# Altium PCB PowerBoard.PcbDoc
Units mil, origin at the board's own origin, x right, y up, seen from the top; angles counter-clockwise.
Board outline 5560.03 x 2310.14 mil, 2 copper layers (Top Layer, Bottom Layer); 107 components, 79 nets, 315 pads, 21 vias.
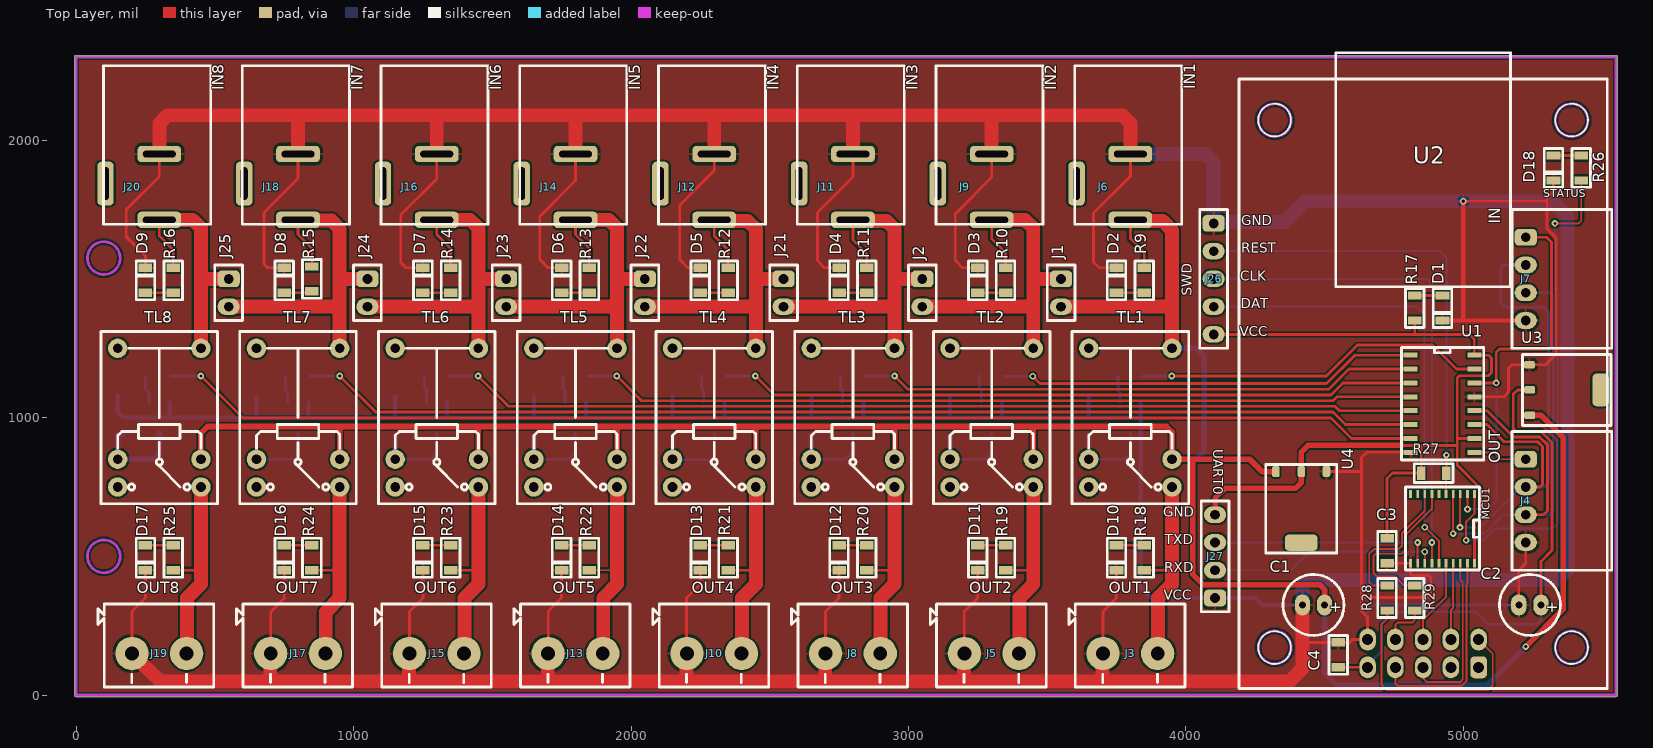
[diagram p0: Top Layer view]
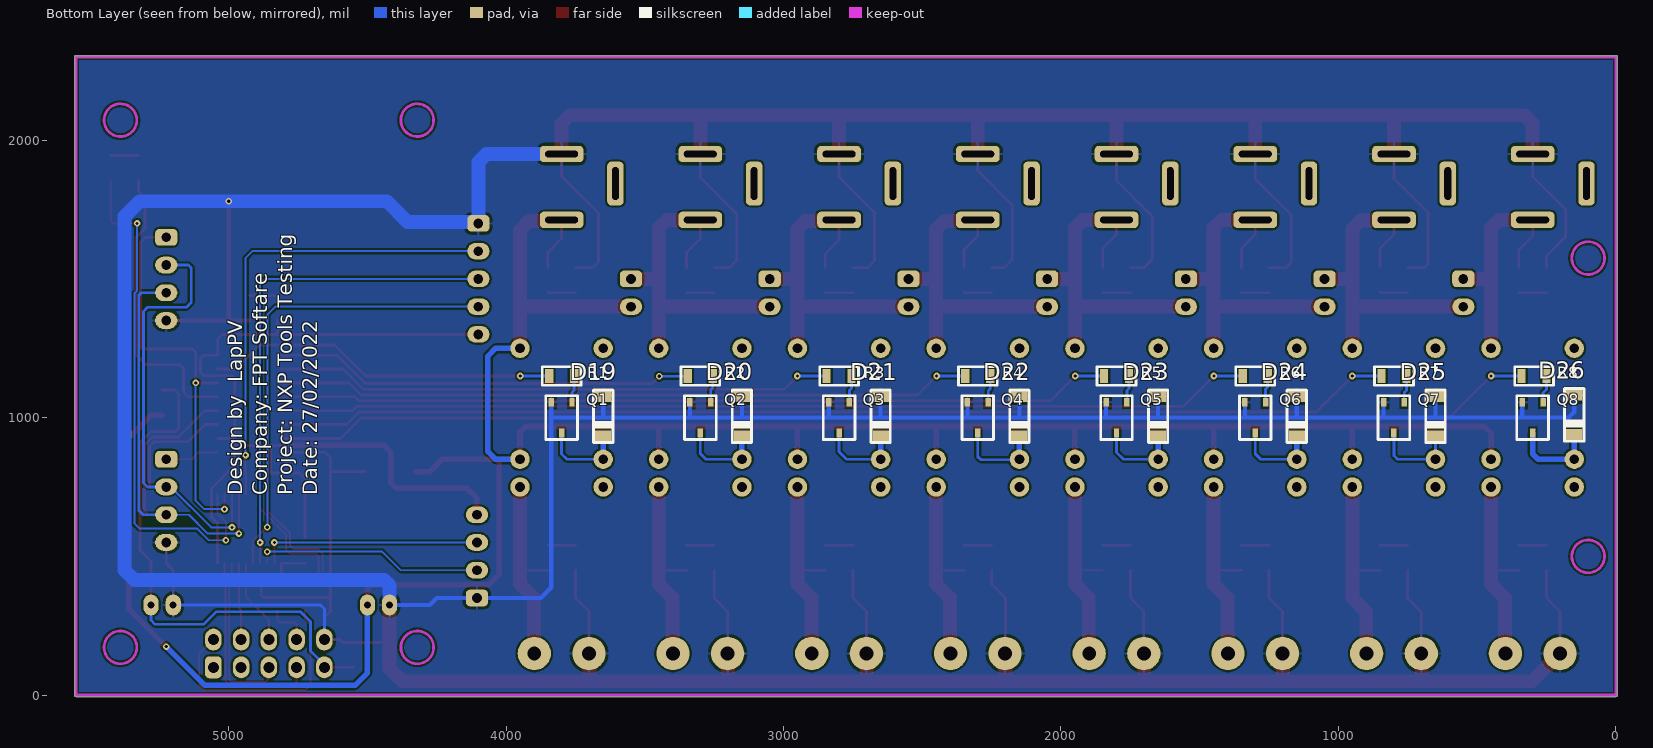
[diagram p1: Bottom Layer view, seen from below]
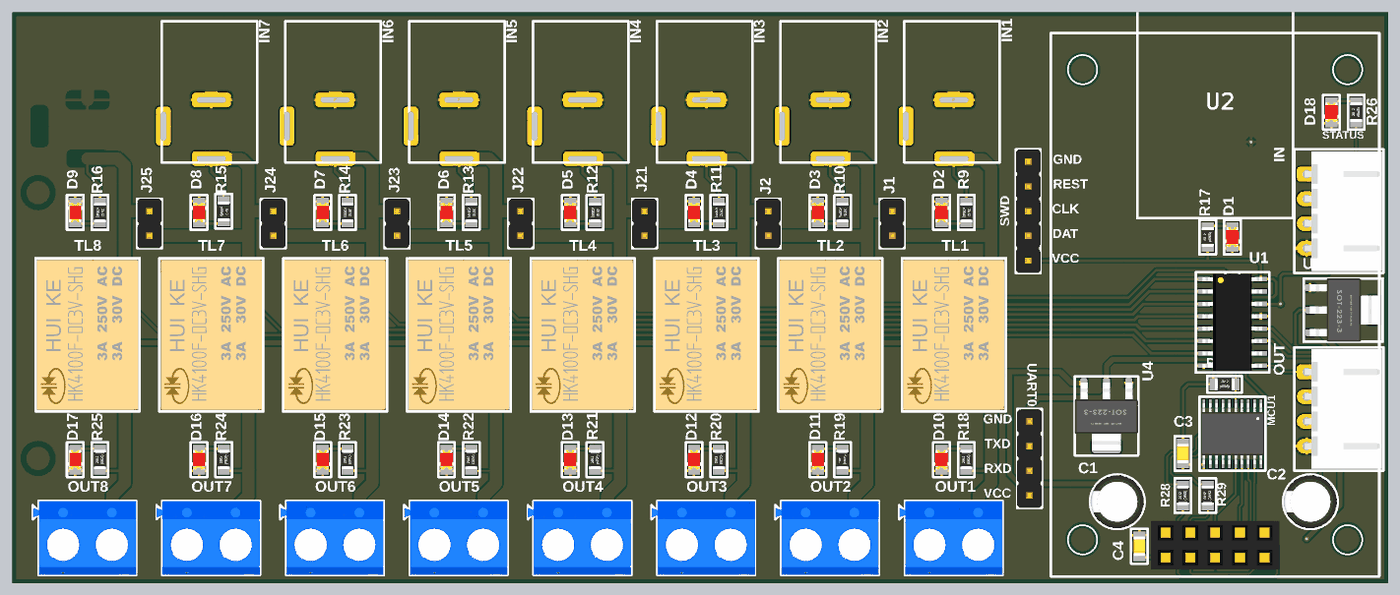
[diagram p2: 3D render of the assembled board from above, using the file's embedded part models]
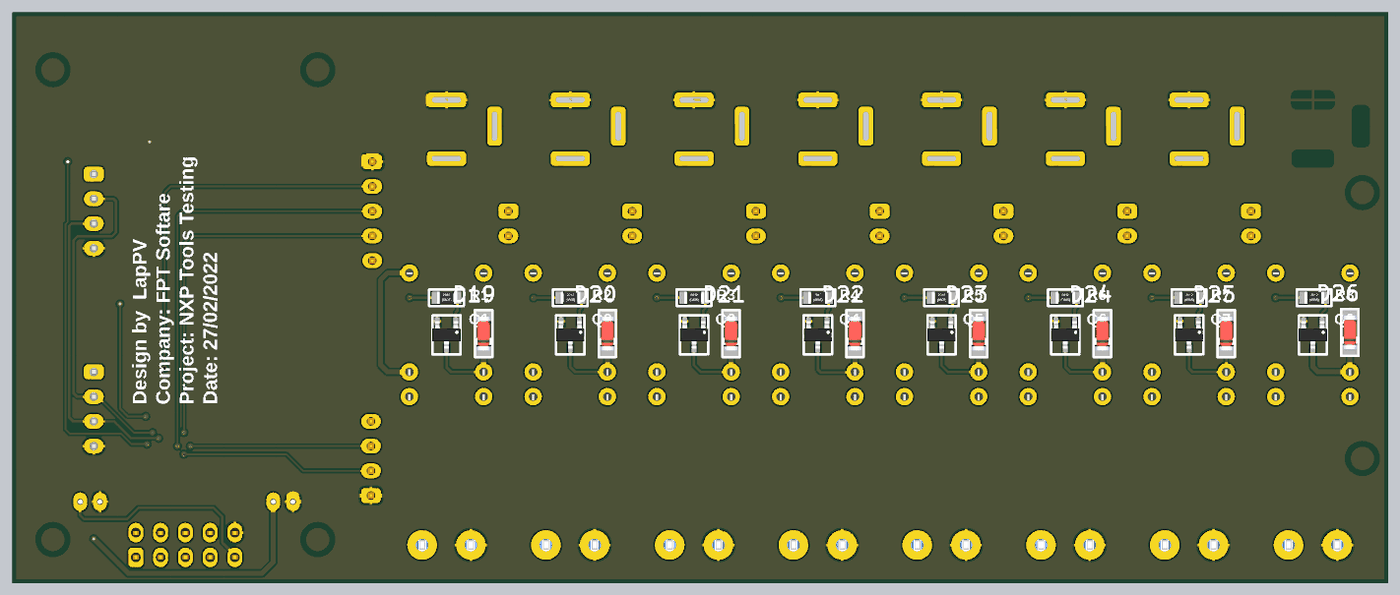
[diagram p3: 3D render of the assembled board from below, using the file's embedded part models]

## Layer stack, top to bottom
Top Solder: solder mask 0.4, Solder Resist, Dk 3.5
Top Layer: signal copper 1.4
Dielectric 1: dielectric 12.6, FR-4, Dk 4.8
Bottom Layer: signal copper 1.4
Bottom Solder: solder mask 0.4, Solder Resist, Dk 3.5

## Board outline
-5.21,-0.11 -5.21,2300 cw(c-0.19,2300) -0.19,2305.02 5549.81,2305.02 cw(c5549.81,2300) 5554.82,2300 5554.82,-0.11 cw(c5549.81,-0.11) 5549.81,-5.12 -0.19,-5.12 cw(c-0.19,-0.11)

## Design rules (kind name [scope] priority, off if disabled: settings)
Clearance [All] p1: gap=7 ignorepadtopadclearanceinfootprint=FALSE
PolygonConnect [All] p1: connectstyle=Relief reliefconductorwidth=10 reliefentries=4 polygonreliefangle="90 Angle" airgapwidth=10
RoutingVias [All] p1: holewidth=11.81 width=23.62 viastyle="Through Hole" minholewidth=11.81 minwidth=23.62 maxholewidth=11.81 maxwidth=23.62
SolderMaskExpansion [All] p1: expansion=4 istentingtop=FALSE
Width [All] p1: maxlimit=50 minlimit=7 preferedwidth=20
30 further rules are at their usual default settings.

## Components (designator, comment, footprint, x,y, rotation, side; value= is the part's Value field where it differs from the comment)
C1 "10uF" CAP_RAD_D05x11 4459.81,325 r180 top
C2 "10uF" CAP_RAD_D05x11 5239.81,325 r180 top
C3 "104" C0805 4724.81,520 r90 top
C4 "104" C0805 4548.81,145 r270 top
D1 "LED0805" L0805RED 4924.81,1395 r270 top
D2 "LED0805" L0805RED 3749.81,1495 r90 top
D3 "LED0805" L0805RED 3249.81,1495 r90 top
D4 "LED0805" L0805RED 2749.81,1495 r90 top
D5 "LED0805" L0805RED 2249.81,1495 r90 top
D6 "LED0805" L0805RED 1749.81,1495 r90 top
D7 "LED0805" L0805RED 1249.81,1495 r90 top
D8 "LED0805" L0805RED 749.81,1495 r90 top
D9 "LED0805" L0805RED 249.81,1495 r90 top
D10 "LED0805" L0805RED 3749.81,495 r270 top
D11 "LED0805" L0805RED 3249.81,495 r270 top
D12 "LED0805" L0805RED 2749.81,495 r270 top
D13 "LED0805" L0805RED 2249.81,495 r270 top
D14 "LED0805" L0805RED 1749.81,495 r270 top
D15 "LED0805" L0805RED 1249.81,495 r270 top
D16 "LED0805" L0805RED 749.81,495 r270 top
D17 "LED0805" L0805RED 249.81,495 r270 top
D18 "STATUS" L0805RED 5324.81,1900 r270 top
D19 "1N4148" SOD-80 3650,1005 r270 bottom
D20 "1N4148" SOD-80 3150,1005 r270 bottom
D21 "1N4148" SOD-80 2650,1005 r270 bottom
D22 "1N4148" SOD-80 2150,1005 r270 bottom
D23 "1N4148" SOD-80 1650,1005 r270 bottom
D24 "1N4148" SOD-80 1150,1005 r270 bottom
D25 "1N4148" SOD-80 650,1005 r270 bottom
D26 "1N4148" SOD-80 150,1010 r270 bottom
J1 "HEADER-MALE-2.54MM" HEADER-MALE-02PINS-2.54MM 3549.81,1450 r270 top
J2 "HEADER-MALE-2.54MM" HEADER-MALE-02PINS-2.54MM 3049.81,1450 r270 top
J3 "OUT1" DG306-5.0-02P-12-00AH 3799.81,150 r0 top
J4 "OUT" "JST - XH - Thru (R) - 4Pin - 2.54mm" 5224.81,700 r270 top
J5 "OUT2" DG306-5.0-02P-12-00AH 3299.81,150 r0 top
J6 "IN1" DC_K375A_Power 3288,2000.2 r180 top
J7 "IN" "JST - XH - Thru (R) - 4Pin - 2.54mm" 5224.81,1500 r270 top
J8 "OUT3" DG306-5.0-02P-12-00AH 2799.81,150 r0 top
J9 "IN2" DC_K375A_Power 2788,2000.2 r180 top
J10 "OUT4" DG306-5.0-02P-12-00AH 2299.81,150 r0 top
J11 "IN3" DC_K375A_Power 2288,2000.2 r180 top
J12 "IN4" DC_K375A_Power 1788,2000.2 r180 top
J13 "OUT5" DG306-5.0-02P-12-00AH 1799.81,150 r0 top
J14 "IN5" DC_K375A_Power 1288,2000.2 r180 top
J15 "OUT6" DG306-5.0-02P-12-00AH 1299.81,150 r0 top
J16 "IN6" DC_K375A_Power 788,2000.2 r180 top
J17 "OUT7" DG306-5.0-02P-12-00AH 799.81,150 r0 top
J18 "IN7" DC_K375A_Power 288,2000.2 r180 top
J19 "OUT8" DG306-5.0-02P-12-00AH 299.81,150 r0 top
J20 "IN8" DC_K375A_Power -212,2000.2 r180 top
J21 "HEADER-MALE-2.54MM" HEADER-MALE-02PINS-2.54MM 2549.81,1450 r270 top
J22 "HEADER-MALE-2.54MM" HEADER-MALE-02PINS-2.54MM 2049.81,1450 r270 top
J23 "HEADER-MALE-2.54MM" HEADER-MALE-02PINS-2.54MM 1549.81,1450 r270 top
J24 "HEADER-MALE-2.54MM" HEADER-MALE-02PINS-2.54MM 1049.81,1450 r270 top
J25 "HEADER-MALE-2.54MM" HEADER-MALE-02PINS-2.54MM 549.81,1450 r270 top
J26 "SWD" HEADER-MALE-05PINS-2.54MM 4099.81,1700 r270 top
J27 "UART0" HEADER-MALE-04PINS-2.54MM 4105,350 r90 top
MCU1 "Mini58FDE" TSSOP20_0.65_4.4 4924.81,600 r270 top
Q1 "2N3904" SOT23-3 3799.81,1000 r0 bottom
Q2 "2N3904" SOT23-3 3299.81,1000 r0 bottom
Q3 "2N3904" SOT23-3 2799.81,1000 r0 bottom
Q4 "2N3904" SOT23-3 2299.81,1000 r0 bottom
Q5 "2N3904" SOT23-3 1799.81,1000 r0 bottom
Q6 "2N3904" SOT23-3 1299.81,1000 r0 bottom
Q7 "2N3904" SOT23-3 799.81,1000 r0 bottom
Q8 "2N3904" SOT23-3 299.81,1000 r0 bottom
R1 "10k" R0805 3799.81,1150 r180 bottom
R2 "10k" R0805 3299.81,1150 r180 bottom
R3 "10k" R0805 2799.81,1150 r180 bottom
R4 "10k" R0805 2299.81,1150 r180 bottom
R5 "10k" R0805 1799.81,1150 r180 bottom
R6 "10k" R0805 1299.81,1150 r180 bottom
R7 "10k" R0805 799.81,1150 r180 bottom
R8 "10k" R0805 294.81,1150 r180 bottom
R9 "10k" R0805 3849.81,1495 r270 top
R10 "10k" R0805 3349.81,1495 r270 top
R11 "10k" R0805 2849.81,1495 r270 top
R12 "10k" R0805 2349.81,1495 r270 top
R13 "10k" R0805 1849.81,1495 r270 top
R14 "10k" R0805 1349.81,1495 r270 top
R15 "10k" R0805 849.81,1500 r270 top
R16 "10k" R0805 349.81,1495 r270 top
R17 "10k" R0805 4824.81,1395 r90 top
R18 "10k" R0805 3849.81,495 r90 top
R19 "10k" R0805 3349.81,495 r90 top
R20 "10k" R0805 2849.81,495 r90 top
R21 "10k" R0805 2349.81,495 r90 top
R22 "10k" R0805 1849.81,495 r90 top
R23 "10k" R0805 1349.81,495 r90 top
R24 "10k" R0805 849.81,495 r90 top
R25 "10k" R0805 349.81,495 r90 top
R26 "10k" R0805 5424.81,1900 r90 top
R27 "10k" R0805 4892.81,800 r0 top
R28 "10k" R0805 4724.81,350 r90 top
R29 "10k" R0805 4824.81,350 r90 top
TL1 "HK4100F" RELAY-HK4100F-DC3V-SHG 3799.81,1000 r0 top
TL2 "HK4100F" RELAY-HK4100F-DC3V-SHG 3299.81,1000 r0 top
TL3 "HK4100F" RELAY-HK4100F-DC3V-SHG 2799.81,1000 r0 top
TL4 "HK4100F" RELAY-HK4100F-DC3V-SHG 2299.81,1000 r0 top
TL5 "HK4100F" RELAY-HK4100F-DC3V-SHG 1799.81,1000 r0 top
TL6 "HK4100F" RELAY-HK4100F-DC3V-SHG 1299.81,1000 r0 top
TL7 "HK4100F" RELAY-HK4100F-DC3V-SHG 799.81,1000 r0 top
TL8 "HK4100F" RELAY-HK4100F-DC3V-SHG 299.81,1000 r0 top
U1 "74HC595D" SO16 4924.81,1050 r0 top
U2 "ENC28J60 module" ENC28J60 4854.81,150 r0 top
U3 "AMS1117" SOT223-3 5374.81,1100 r270 top
U4 "AMS1117" SOT223-3 4415.87,669.49 r180 top

## Footprints (in the part's own frame and the unit in brackets; to place one, negate y for a bottom-side part, rotate by r counter-clockwise, add the part's x,y. Pads: shape width x height; smd on the part's side, far side on the other; paste and mask are expansions set on the pad)
C0805 [mil]
  rect 30x48.82 smd: 1(-45,0) 2(45,0)
  silkscreen extent -70,-33 70,33, body extent -39,-24 39,24, height 39
CAP_RAD_D05x11 [mil]
  oval 55x75 hole 25: 1(-40,0) 2(40,0)
  silkscreen extent -110,-110 110,110, body extent -108,-108 108,108, height 492
DC_K375A_Power [mm]
  rrect50% 4x1.5 hole 0.6 slot 3 at 0 deg: 1(-13,7.3) 2(-13,1.275)
  rrect50% 1.5x4 hole 0.6 slot 3 at 90 deg: 3(-8.075,3.975)
  silkscreen extent -17.7,-6.8 -7.9,7.7, body extent -17.7,-6.8 -7.9,7.7, height 11
DG306-5.0-02P-12-00AH [mil] "• Current rating: 10 A AC/DC  • Voltage rating: 300 V AC/DC  • Temperature range: -30° ~ +120°  • Applicable wire: 22-14AWG UL (0.5 - 1.5mm² IEC)"
  round 120 hole 50: 1(-98.43,0) 2(98.43,0)
  silkscreen extent -221,-121 197,178, body extent -221,-121 196,178, height 394
ENC28J60 [mm]
  rrect50% 1.524x2 hole 1: 1(5.08,-1.27)
  oval 1.524x2 hole 1: 2(5.08,1.27) 3(2.54,-1.27) 4(2.54,1.27) 5(0,-1.27) 6(0,1.27) 7(-2.54,-1.27) 8(-2.54,1.27) 9(-5.08,-1.27) 10(-5.08,1.27)
  silkscreen extent -16.85,-3.22 16.85,55, body extent -6.6,-2.51 6.6,2.49, height 8.5
HEADER-MALE-02PINS-2.54MM [mil]
  rrect50% 60x80 hole 35: 1(-50,0)
  oval 60x80 hole 35: 2(50,0)
  silkscreen extent -100,-50 100,50, body extent -100,-50 100,50, height 350
HEADER-MALE-04PINS-2.54MM [mil]
  rrect50% 60x80 hole 35: 1(0,0)
  oval 60x80 hole 35: 2(100,0) 3(200,0) 4(300,0)
  silkscreen extent -50,-50 350,50, body extent -50,-50 350,50, height 350
HEADER-MALE-05PINS-2.54MM [mil]
  rrect50% 60x80 hole 35: 1(0,0)
  oval 60x80 hole 35: 2(100,0) 3(200,0) 4(300,0) 5(400,0)
  silkscreen extent -50,-50 450,50, body extent -50,-50 450,50, height 350
"JST - XH - Thru (R) - 4Pin - 2.54mm" [mil]
  rrect50% 60x80 hole 35: 1(-150,0)
  oval 60x80 hole 35: 2(-50,0) 3(50,0) 4(150,0)
  silkscreen extent -250,-50 250,310, body extent -242,-13 242,304, height 230
L0805RED [mil]
  rect 30x48.82 smd: 1(-45,0) 2(45,0)
  silkscreen extent -70,-35 70,35, body extent -39,-25 39,25, height 43
R0805 [mil]
  rect 30x48.82 smd: 1(-45,0) 2(45,0)
  silkscreen extent -70,-33 70,33, body extent -39,-25 40,25, height 18
RELAY-HK4100F-DC3V-SHG [mil]
  round 70 hole 35: 1(-150,250) 2(-150,-150) 3(-150,-250) 4(150,-250) 5(150,-150) 6(150,250)
  silkscreen extent -210,-310 210,310, body extent -204,-302 204,303, height 453
SO16 [mil]
  rect 50x18 smd: 1(-114.78,174.95) 2(-114.78,124.95) 3(-114.78,74.95) 4(-114.78,24.95) 5(-114.78,-25.05) 6(-114.78,-75.05) 7(-114.78,-125.05) 8(-114.78,-175.05) 9(114.78,-174.95) 10(114.78,-124.95) 11(114.78,-74.95) 12(114.78,-24.95) 13(114.78,25.05) 14(114.78,75.05) 15(114.78,125.05) 16(114.78,175.05)
  silkscreen extent -148,-203 149,203, body extent -121,-196 121,196, height 69
SOD-80 [mil]
  rect 40x60 smd: 1(-70.87,0) 2(70.87,0)
  silkscreen extent -95,-35 95,37, body extent -69,-30 69,29, height 58
SOT23-3 [mm]
  rect 0.5x0.8 smd: 1(-0.95,-1.4) 2(0.95,-1.4) 3(0,1.4)
  silkscreen extent -1.45,-2 1.45,2, body extent -1.45,-1.4 1.45,1.4, height 1.3
SOT223-3 [mm]
  rrect50% 0.7x1 smd: 1(-2.3,-3.475) 2(0,-3.45) 3(2.325,-3.45)
  rrect50% 3x1.5 smd: 4(0,3.048)
  silkscreen extent -3.25,-4.11 3.25,3.99, body extent -3.25,-3.5 3.25,3.5, height 1.7
TSSOP20_0.65_4.4 [mil]
  rect 30x10 smd: 1(-125,115.16) 2(-125,89.57) 3(-125,63.98) 4(-125,38.39) 5(-125,12.8) 6(-125,-12.8) 7(-125,-38.39) 8(-125,-63.98) 9(-125,-89.57) 10(-125,-115.16) 11(125,-115.16) 12(125,-89.57) 13(125,-63.98) 14(125,-38.39) 15(125,-12.8) 16(125,12.8) 17(125,38.39) 18(125,63.98) 19(125,89.57) 20(125,115.16)
  silkscreen extent -150,-133 150,133, body extent -124,-128 124,128, height 43

## Part data
C1 C2: library part Capacitor(Radian)
C3 C4: library part Capacitors(SMD)
D18: library part LED0805
D19 D20 D21 D22 D23 D24 D25 D26: library part Diode-1N4148, "The fast switching diode"
J1 J2 J21 J22 J23 J24 J25: library part HEADER-MALE-02PINS-2.54MM
J3 J5 J8 J10 J13 J15 J17 J19: library part DG306-5.0-02P-12-00AH
J4 J7: library part "JST - XH - Thru (R) - 4Pin - 2.54mm"
J6 J9 J11 J12 J14 J16 J18 J20: library part JackDC
J26: library part HEADER-MALE-05PINS-2.54MM
J27: library part HEADER-MALE-04PINS-2.54MM
MCU1: library part Mcu-Mini58FDE, "Novoton 4Kb-RAM 32Kb-Flash"
Q1 Q2 Q3 Q4 Q5 Q6 Q7 Q8: library part "Transistor-2N3904 (SOT-23)"
R1 R2 R3 R4 R5 R6 R7 R8 R9 R10 R11 R12 R13 R14 R15 R16 R17 R18 R19 R20 R21 R22 R23 R24 R25 R26 R27 R28 R29: library part Resistors-SMD
TL1 TL2 TL3 TL4 TL5 TL6 TL7 TL8: library part Relay-HK4100F-DC3V-SHG
U1: library part Ic-74HC595D
U2: library part ENC28J60
U3 U4: library part Ic-AMS1117(SOT-223)

## Via types
v1: diameter 23.62, hole 11.81, Top Layer to Bottom Layer, tented both sides, 21 vias

## Nets (pads, with @x,y where several pads share a name; then routed paths per layer and width w, separated by ;. In a path a pad name is that pad's centre, name@x,y a point inside that pad or via, vN(x,y) a via of type N, cw(c..) or ccw(c..) an arc to the next point about the centre after c; other vN are vias at no path point)
CLK: J4.2 J7.2 MCU1.3 U1.11 | length 2008.4
  Top Layer w7: v1(4987.81,604.31) 4988.3,604.8 4988.3,724.51 MCU1.3
  Top Layer w10: U1.11 5084.95,975.05 5147,913 5267.96,913 5284.81,896.15 5284.81,758 5276.81,750 J4.2
  Bottom Layer w7: v1(4987.81,604.31) 5062.12,604.31 5207.81,750 J4.2
  Bottom Layer w10: J4.2 5291.81,750 5306.81,765 5306.81,1383 5291.81,1398 5151.81,1398 5134.81,1415 5134.81,1540 5144.81,1550 J7.2
CS: MCU1.19 U2.7 | length 752.4
  Top Layer w7: U2.7 4754.81,40 4761.81,33 4993.81,33 5011.81,51 5011.81,401 5014.38,403.57 MCU1.19
DAT: J7.1 MCU1.2 U1.14 | length 1461.3
  Top Layer w7: MCU1.2 5014.59,724.78 5014.59,670.22 v1(5014.81,670)
  Top Layer w10: U1.14 v1@5108.85,1125.05 ; v1(5118.81,1125) 5118.81,1236 5129.81,1247 5310.81,1247 5317.81,1254 5317.81,1632.19 5300,1650 J7.1
  Bottom Layer w7: v1(5014.81,670) 5087.81,670 5118.81,701 v1(5118.81,1125)
GND: C1.2 C2.2 C3.1 C4.1 D1.2 D2.2 D3.2 D4.2 D5.2 D6.2 D7.2 D8.2 D9.2 D10.2 D11.2 D12.2 D13.2 D14.2 D15.2 D16.2 D17.2 D18.2 D19.1 D20.1 D21.1 D22.1 D23.1 D24.1 D25.1 D26.1 J3.1 J4.4 J5.1 J6.2 J7.4 J8.1 J9.2 J10.1 J11.2 J12.2 J13.1 J14.2 J15.1 J16.2 J17.1 J18.2 J19.1 J20.2 J26.1 J27.1 MCU1.11 Q1.2 Q2.2 Q3.2 Q4.2 Q5.2 Q6.2 Q7.2 Q8.2 U1.8 U1.13 U2.10 U3.1 U4.1 | length 31399.3
  Top Layer w10: J19.1 201.38,301.58 249.81,350 D17.2 ; D9.2 249.81,1583 180.81,1652 180.81,1750 299.81,1869 J20.2 ; J17.1 701.38,300 749.81,348.43 D16.2 ; D8.2 690.81,1540 676.81,1554 676.81,1739 799.81,1862 J18.2 ; J15.1 1201.38,301.58 1249.81,350 D15.2 ; D7.2 1189.81,1540 1169.81,1560 1169.81,1730 1299.81,1860 J16.2 ; J13.1 1701.38,301.58 1749.81,350 D14.2 ; D6.2 1701.81,1540 1670.81,1571 1670.81,1725 1799.81,1854 J14.2 ; J10.1 2199.81,151.58 2199.81,350 2249.81,400 D13.2 ; D5.2 2204.81,1540 2175.81,1569 2175.81,1767 2299.81,1891 J12.2 ; J8.1 2701.38,301.58 2749.81,350 D12.2 ; D4.2 2697.81,1540 2671.81,1566 2671.81,1739 2799.81,1867 J11.2 ; J5.1 3201.38,301.58 3249.81,350 D11.2 ; D3.2 3194.81,1540 3168.81,1566 3168.81,1735 3299.81,1866 J9.2 ; J3.1 3701.38,301.58 3749.81,350 D10.2 ; D2.2 3687.81,1540 3666.81,1561 3666.81,1737 3799.81,1870 J6.2 ; 4434.81,190 C4.1 4589.95,190 4595.81,195.86 4595.81,196 4599.81,200 U2.10 4654.81,280 4632.81,302 4632.81,352 ; U4.1 4631.51,806.3 4632.81,805 ; C3.1 MCU1.11 4809.65,437.16 4815.81,431 4873.81,431 4882.81,422 4882.81,361 4873.81,352 4632.81,352 ; U1.8 4651.76,874.96 4632.81,856 4632.81,805 ; v1(5000,1780) 5301.19,1780 ; U1.13 5145.85,1075.05 5162.81,1092 5162.81,1178 5175.36,1190.55 U3.1 5295.33,1190.55 5334.81,1230.03 5334.81,1647.04 5301.19,1680.66 5301.19,1780 ; C2.2 5199.81,450 5224.81,475 J4.4 ; D18.2 5324.81,1817.5 5301.19,1793.88 5301.19,1780 ; 4632.81,352 4632.81,805
  Top Layer w15: D1.2 4994.81,1350 ; v1@4999.81,1780 4999.81,1355 4994.81,1350 ; J7.4 4994.81,1350
  Top Layer w50: J19.1 199.81,148.43 202.96,148.43 301.38,50 699.81,50 ; J20.2 299.81,2060.71 329.1,2090 809.81,2090 ; J17.1 699.81,148.43 699.81,50 ; J18.2 799.81,2080 809.81,2090 ; J15.1 1199.81,148.43 1199.81,50 ; J16.2 1299.81,2090 ; J13.1 1699.81,148.43 1699.81,50 ; J14.2 1799.81,2090 ; J10.1 2199.81,148.43 2199.81,50 ; J12.2 2299.81,2080 2289.81,2090 ; J8.1 2699.81,148.43 2699.81,50 ; J11.2 2799.81,2085 ; J5.1 3199.81,148.43 3199.81,50 ; J9.2 3299.81,2090 ; J3.1 3699.81,148.43 3699.81,50 ; J6.2 3799.81,2060.71 3770.52,2090 3299.81,2090 ; C1.2 4419.81,95 4374.81,50 3699.81,50 ; 699.81,50 1199.81,50 ; 809.81,2090 1299.81,2090 ; 1199.81,50 1699.81,50 ; 1299.81,2090 1799.81,2090 ; 1699.81,50 2199.81,50 ; 1799.81,2090 2289.81,2090 ; 2199.81,50 2699.81,50 ; 2289.81,2090 3299.81,2090 ; 2699.81,50 3199.81,50 ; 3199.81,50 3699.81,50
  Bottom Layer w10: U2.10 4654.81,310 4669.81,325 C2.2
  Bottom Layer w15: D26.1 150,1020 170,1000 335,1000 ; Q8.2 337.21,1002.21 335,1000 ; D25.1 650,1005 645,1000 ; Q7.2 837.21,1006.17 843.38,1000 ; D24.1 1150,1000 ; Q6.2 1337.21,1002.4 1334.81,1000 ; D23.1 1650,1000 ; Q5.2 1837.21,1000.4 1836.81,1000 ; D22.1 2150,1000 ; Q4.2 2337.21,1001.4 2335.81,1000 ; D21.1 2650,1005 2645,1000 ; Q3.2 2837.21,1000.6 2837.81,1000 ; D20.1 3150,1000 ; Q2.2 3337.21,1001.4 3335.81,1000 ; D19.1 3650,1000 ; Q1.2 3837.21,1000 ; C1.2 4275,325 4250,350 J27.1 3875,350 3837.21,387.79 3837.21,1000 ; 335,1000 645,1000 ; 645,1000 843.38,1000 ; 843.38,1000 1150,1000 ; 1150,1000 1334.81,1000 ; 1334.81,1000 1650,1000 ; 1650,1000 1836.81,1000 ; 1836.81,1000 2150,1000 ; 2150,1000 2335.81,1000 ; 2335.81,1000 2645,1000 ; 2645,1000 2837.81,1000 ; 2837.81,1000 3150,1000 ; 3150,1000 3335.81,1000 ; 3335.81,1000 3650,1000 ; 3650,1000 3837.21,1000
  Bottom Layer w50: J6.2 4070.52,1950 4099.81,1920.71 J26.1 4104.81,1705 4355,1705 4430,1780 v1(5000,1780) 5319.81,1780 5374.81,1725 5374.81,450 5339.81,415 4439.81,415 4420.77,395.96 4420.77,325.96 C1.2
ICE_CLK: J26.3 MCU1.14 | length 1801
  Top Layer w7: MCU1.14 4886.62,475.19 4886.62,549.81 v1(4886.81,550)
  Bottom Layer w7: J26.3 4867.81,1500 4886.81,1481 v1(4886.81,550)
ICE_DAT: J26.4 MCU1.15 | length 1691.7
  Top Layer w7: v1(4860.81,605) 4863.36,605 4912.01,556.35 MCU1.15
  Bottom Layer w7: J26.4 4831.81,1400 4859.81,1372 4859.81,606 v1(4860.81,605)
IN1: R1.1 U1.15 | length 1277.2
  Top Layer w10: v1(3948.81,1150) 4505.81,1150 4617.81,1262 4888.81,1262 4975.76,1175.05 U1.15
  Bottom Layer w10: R1.1 v1(3948.81,1150)
IN2: R2.1 U1.1 | length 1518.6
  Top Layer w10: v1(3447.81,1149) 3473.81,1123 4507.09,1123 4609.05,1224.96 U1.1
  Bottom Layer w10: R2.1 3345.81,1149 v1(3447.81,1149)
IN3: R3.1 U1.2 | length 2015.3
  Top Layer w10: v1(2949.81,1150) 2997.81,1102 4514.38,1102 4587.33,1174.96 U1.2
  Bottom Layer w10: R3.1 v1(2949.81,1150)
IN4: R4.1 U1.3 | length 2511.2
  Top Layer w10: v1(2448.45,1150) 2516.45,1082 4522.66,1082 4565.62,1124.96 U1.3
  Bottom Layer w10: R4.1 v1(2448.45,1150)
IN5: R5.1 U1.4 | length 3007.9
  Top Layer w10: v1(1948.81,1150) 2037.81,1061 4529.95,1061 4543.9,1074.96 U1.4
  Bottom Layer w10: R5.1 v1(1948.81,1150)
IN6: R6.1 U1.5 | length 3517
  Top Layer w10: v1(1448.81,1150) 1557.81,1041 4536.81,1041 4552.85,1024.96 U1.5
  Bottom Layer w10: R6.1 v1(1448.81,1150)
IN7: R7.1 U1.6 | length 4037.7
  Top Layer w10: v1(949.81,1150) 1079.81,1020 4529.52,1020 4574.57,974.96 U1.6
  Bottom Layer w10: R7.1 v1(949.81,1150)
IN8: R8.1 U1.7 | length 4563.4
  Top Layer w10: v1(449.81,1150) 600.81,999 4522.24,999 4596.29,924.96 U1.7
  Bottom Layer w10: R8.1 v1(449.81,1150)
LAT: J4.3 J7.3 MCU1.4 U1.12 | length 2052.8
  Top Layer w7: v1(4962.81,582) 4963,582.19 4963,724.81 MCU1.4
  Top Layer w10: U1.12 5084.95,1025.05 5180,930 5275,930 5302.81,902.19 5302.81,664 5288.81,650 J4.3
  Bottom Layer w7: v1(4962.81,582) 5074.81,582 5142.81,650 J4.3
  Bottom Layer w10: J4.3 5307.81,650 5323.81,666 5323.81,1441 5314.81,1450 J7.3
NetC2_1: C2.1 C4.2 U2.9 U3.2 | length 1913.2
  Top Layer w10: C4.2 U2.9 ; U3.2 5195,1100 5180,1085 5180,960 5190,950 5279.81,950 5319.81,910 5319.81,522 5279.81,482 C2.1
  Bottom Layer w10: U2.9 4654.81,109.37 4705,159.56 4705,265 4740,300 5045,300 5090,255 5264.81,255 5279.81,270 C2.1
NetD1_1: D1.1 R17.2 | length 100
  Top Layer w10: R17.2 D1.1
NetD2_1: D2.1 R9.2 | length 100
  Top Layer w10: D2.1 R9.2
NetD3_1: D3.1 R10.2 | length 100
  Top Layer w10: D3.1 R10.2
NetD4_1: D4.1 R11.2 | length 100
  Top Layer w10: D4.1 R11.2
NetD5_1: D5.1 R12.2 | length 100
  Top Layer w10: D5.1 R12.2
NetD6_1: D6.1 R13.2 | length 100
  Top Layer w10: D6.1 R13.2
NetD7_1: D7.1 R14.2 | length 100
  Top Layer w10: D7.1 R14.2
NetD8_1: D8.1 R15.2 | length 102.1
  Top Layer w10: D8.1 844.81,1450 R15.2
NetD9_1: D9.1 R16.2 | length 100
  Top Layer w10: D9.1 R16.2
NetD10_1: D10.1 R18.2 | length 100
  Top Layer w10: D10.1 R18.2
NetD11_1: D11.1 R19.2 | length 100
  Top Layer w10: D11.1 R19.2
NetD12_1: D12.1 R20.2 | length 100
  Top Layer w10: D12.1 R20.2
NetD13_1: D13.1 R21.2 | length 100
  Top Layer w10: D13.1 R21.2
NetD14_1: D14.1 R22.2 | length 100
  Top Layer w10: D14.1 R22.2
NetD15_1: D15.1 R23.2 | length 100
  Top Layer w10: D15.1 R23.2
NetD16_1: D16.1 R24.2 | length 100
  Top Layer w10: D16.1 R24.2
NetD17_1: D17.1 R25.2 | length 100
  Top Layer w10: D17.1 R25.2
NetD18_1: D18.1 R26.2 | length 100
  Top Layer w10: D18.1 R26.2
NetD19_2: D19.2 Q1.3 TL1.2 | length 318
  Bottom Layer w10: TL1.2 3780.81,850 3799.81,869 Q1.3
  Bottom Layer w20: TL1.2 3649.81,933.94 D19.2
NetD20_2: D20.2 Q2.3 TL2.2 | length 317.4
  Bottom Layer w10: TL2.2 3279.81,850 3299.81,870 Q2.3
  Bottom Layer w20: TL2.2 3149.81,933.94 D20.2
NetD21_2: D21.2 Q3.3 TL3.2 | length 313.3
  Bottom Layer w10: TL3.2 2772.81,850 2799.81,877 Q3.3
  Bottom Layer w20: TL3.2 2649.81,933.94 D21.2
NetD22_2: D22.2 Q4.3 TL4.2 | length 325.5
  Bottom Layer w10: TL4.2 2151.81,848 2288.81,848 2299.81,859 Q4.3
  Bottom Layer w20: TL4.2 2149.81,933.94 D22.2
NetD23_2: D23.2 Q5.3 TL5.2 | length 314.4
  Bottom Layer w10: TL5.2 1774.81,850 1799.81,875 Q5.3
  Bottom Layer w20: TL5.2 1649.81,933.94 D23.2
NetD24_2: D24.2 Q6.3 TL6.2 | length 317.4
  Bottom Layer w10: TL6.2 1279.81,850 1299.81,870 Q6.3
  Bottom Layer w20: TL6.2 1149.81,933.94 D24.2
NetD25_2: D25.2 Q7.3 TL7.2 | length 321.5
  Bottom Layer w10: D25.2 649.81,933.94 TL7.2 786.81,850 799.81,863 Q7.3
NetD26_2: D26.2 Q8.3 TL8.2 | length 350.6
  Bottom Layer w20: D26.2 149.81,938.94 D26.2@149.81,925 ; D26.2@169.69,944.88 D26.2@149.81,925 ; Q8.3 299.81,869.81 280,850 TL8.2 D26.2@149.81,925
NetJ1_1: J1.1 J2.2 J9.1 R10.1 TL2.6 | length 1289.1
  Top Layer w10: J9.1 3299.81,1645 3349.81,1595 R10.1
  Top Layer w50: J2.2 3449.81,1400 ; J9.1 3420.52,1712.8 3449.81,1683.51 3449.81,1500 ; TL2.6 3449.81,1400 ; J1.1 3449.81,1500 ; 3449.81,1400 3449.81,1500
NetJ2_1: J2.1 J11.1 J21.2 R11.1 TL3.6 | length 1287.1
  Top Layer w10: J11.1 2799.81,1640 2849.81,1590 R11.1
  Top Layer w50: J21.2 2949.81,1400 ; J11.1 2803.31,1709.29 2920.52,1709.29 2949.81,1680 2949.81,1500 ; TL3.6 2949.81,1400 ; J2.1 2949.81,1500 ; 2949.81,1400 2949.81,1500
NetJ4_1: J4.1 U1.9 | length 195.6
  Top Layer w7: U1.9 5108.76,875.05 5133.81,850 J4.1
NetJ12_1: J12.1 J21.1 J22.2 R12.1 TL4.6 | length 1287.1
  Top Layer w10: J12.1 2299.81,1655 2349.81,1605 R12.1
  Top Layer w50: J22.2 2449.81,1400 ; J12.1 2303.31,1709.29 2420.52,1709.29 2449.81,1680 2449.81,1500 ; TL4.6 2449.81,1400 ; J21.1 2449.81,1500 ; 2449.81,1400 2449.81,1500
NetJ14_1: J14.1 J22.1 J23.2 R13.1 TL5.6 | length 1289.1
  Top Layer w10: J14.1 1799.81,1660 1849.81,1610 R13.1
  Top Layer w50: J23.2 1949.81,1400 ; J14.1 1920.52,1712.8 1949.81,1683.51 1949.81,1500 ; TL5.6 1949.81,1400 ; J22.1 1949.81,1500 ; 1949.81,1400 1949.81,1500
NetJ16_1: J16.1 J23.1 J24.2 R14.1 TL6.6 | length 1289.1
  Top Layer w10: J16.1 1299.81,1660 1349.81,1610 R14.1
  Top Layer w50: J24.2 1449.81,1400 ; J16.1 1420.52,1712.8 1449.81,1683.51 1449.81,1500 ; TL6.6 1449.81,1400 ; J23.1 1449.81,1500 ; 1449.81,1400 1449.81,1500
NetJ18_1: J18.1 J24.1 J25.2 R15.1 TL7.6 | length 1282.5
  Top Layer w10: J18.1 799.81,1660 849.81,1610 R15.1
  Top Layer w50: J25.2 949.81,1400 ; J18.1 802.6,1710 920.52,1710 949.81,1680.71 949.81,1500 ; TL7.6 949.81,1400 ; J24.1 949.81,1500 ; 949.81,1400 949.81,1500
NetJ20_1: J20.1 J25.1 R16.1 TL8.6 | length 889.1
  Top Layer w10: J20.1 299.81,1655 349.81,1605 R16.1
  Top Layer w50: J20.1 420.52,1712.8 449.81,1683.51 449.81,1500 ; TL8.6 449.81,1500 ; J25.1 449.81,1500
NetJ26_2: J26.2 MCU1.5 R27.2 | length 1700.4
  Top Layer w7: MCU1.5 4937.6,799.8 R27.2 4938.81,801 v1(4938.81,865)
  Bottom Layer w7: J26.2 4914.81,1600 4938.81,1576 v1(4938.81,865)
NetJ27_2: J27.2 MCU1.13 | length 825.6
  Top Layer w7: MCU1.13 v1(4860.81,517)
  Bottom Layer w7: J27.2 4380,450 4447,517 v1(4860.81,517)
NetJ27_3: J27.3 MCU1.12 | length 805
  Top Layer w7: v1(4834.81,550) 4835.03,549.78 4835.03,475.22 MCU1.12
  Bottom Layer w7: J27.3 v1(4834.81,550)
NetMCU1_1: MCU1.1 R26.1 | length 1863.5
  Top Layer w7: v1(5009.81,558) 5010.12,558.31 5010.12,624 5039.97,653.85 MCU1.1 ; v1(5330,1700) 5415,1700 5424.81,1709.81 R26.1
  Bottom Layer w7: v1(5009.81,558) 5071.81,558 5113.81,600 5320.81,600 5339.31,618.5 5339.31,1447.42 5330,1456.73 v1(5330,1700)
NetMCU1_7: MCU1.7 R29.2 | length 594.2
  Top Layer w7: R29.2 4785.81,395 4753.81,427 4689.81,427 4675.81,441 4675.81,501 4684.13,509.33 4777.83,509.33 4792.81,524.3 4792.81,577.2 4886.42,670.82 MCU1.7
NetMCU1_8: MCU1.8 R28.2 | length 522.5
  Top Layer w7: R28.2 4670.81,395 4660.81,405 4660.81,509 4677.81,526 4765.81,526 4778.81,539 4778.81,583 4860.83,665.02 MCU1.8
NetQ1_1: Q1.1 R1.2 | length 98
  Bottom Layer w10: R1.2 3754.81,1098 3762.41,1090.4 Q1.1
NetQ2_1: Q2.1 R2.2 | length 98
  Bottom Layer w10: R2.2 3254.81,1108 3262.41,1100.4 Q2.1
NetQ3_1: Q3.1 R3.2 | length 98
  Bottom Layer w10: R3.2 2754.81,1106 2762.41,1098.4 Q3.1
NetQ4_1: Q4.1 R4.2 | length 98
  Bottom Layer w10: R4.2 2254.81,1104 2262.41,1096.4 Q4.1
NetQ5_1: Q5.1 R5.2 | length 98
  Bottom Layer w10: R5.2 1754.81,1105 1762.41,1097.4 Q5.1
NetQ6_1: Q6.1 R6.2 | length 98
  Bottom Layer w10: R6.2 1254.81,1110 1262.41,1102.4 Q6.1
NetQ7_1: Q7.1 R7.2 | length 98
  Bottom Layer w10: R7.2 754.81,1097.91 762.41,1090.31 Q7.1
NetQ8_1: Q8.1 R8.2 | length 100.1
  Bottom Layer w10: R8.2 249.81,1102 262.41,1089.4 Q8.1
NetR28_1: R28.1 U2.2 | length 877.3
  Top Layer w7: R28.1 4724.81,275 4705,255.19 4705,36.81 4722.81,19 5089.81,19 5105.81,35 5105.81,149 U2.2
NetR29_1: R29.1 U2.8 | length 164.5
  Top Layer w7: U2.8 4754.81,253 4762.81,261 4814.81,261 4824.81,271 R29.1
O1: J3.2 R18.1 TL1.4 | length 721.4
  Top Layer w10: R18.1 3949.81,450
  Top Layer w50: J3.2 3899.81,151.58 3899.81,350 3949.81,400 3949.81,450 TL1.4
O2: J5.2 R19.1 TL2.4 | length 721.4
  Top Layer w10: R19.1 3449.81,450
  Top Layer w50: J5.2 3399.81,151.58 3399.81,350 3449.81,400 3449.81,450 TL2.4
O3: J8.2 R20.1 TL3.4 | length 721.4
  Top Layer w10: R20.1 2949.81,450
  Top Layer w50: J8.2 2899.81,151.58 2899.81,350 2949.81,400 2949.81,450 TL3.4
O4: J10.2 R21.1 TL4.4 | length 721.4
  Top Layer w10: R21.1 2449.81,450
  Top Layer w50: J10.2 2399.81,151.58 2399.81,350 2449.81,400 2449.81,450 TL4.4
O5: J13.2 R22.1 TL5.4 | length 721.4
  Top Layer w7: R22.1 1949.81,450
  Top Layer w50: J13.2 1899.81,151.58 1899.81,350 1949.81,400 1949.81,450 TL5.4
O6: J15.2 R23.1 TL6.4 | length 721.4
  Top Layer w10: R23.1 1449.81,450
  Top Layer w50: J15.2 1399.81,151.58 1399.81,350 1449.81,400 1449.81,450 TL6.4
O7: J17.2 R24.1 TL7.4 | length 721.4
  Top Layer w10: R24.1 949.81,450
  Top Layer w50: J17.2 899.81,151.58 899.81,300 949.81,350 949.81,450 TL7.4
O8: J19.2 R25.1 TL8.4 | length 721.4
  Top Layer w10: R25.1 449.81,450
  Top Layer w50: J19.2 399.81,151.58 399.81,350 449.81,400 449.81,450 TL8.4
SCK: MCU1.16 U2.6 | length 309.3
  Top Layer w7: U2.6 4854.81,271.74 4937.6,354.54 MCU1.16
SI: MCU1.18 U2.5 | length 614.4
  Top Layer w7: U2.5 4854.81,60 4867.81,47 4988.01,47 4997.81,56.8 4997.81,406.98 4988.79,416 MCU1.18
SO: MCU1.17 U2.4 | length 278.5
  Top Layer w7: U2.4 4954.81,306 4963.19,314.39 MCU1.17
VCC: C3.2 J26.5 J27.4 MCU1.20 R17.1 R27.1 U1.10 U1.16 U4.2 | length 3601.1
  Top Layer w7: 4977.81,927 4979.76,925.05
  Top Layer w10: J26.5 4824.81,1300 ; C3.2 4724.81,780 4744.81,800 R27.1 4847.81,900 ; 4776.94,900 4847.81,900 ; R17.1 4824.81,1300 ; 4979.76,925.05 U1.10 ; MCU1.20 5039.97,619.16 5061.81,641 5061.81,745 4977.81,829 4977.81,900 ; 4824.81,1300 5021.81,1300 5039.59,1282.22 U1.16 5090.76,1225.05 5101.81,1214 5101.81,1163 5089.81,1151 4985.81,1151 4977.81,1143 4977.81,927 4977.81,900 ; 4847.81,900 4977.81,900
  Top Layer w20: J27.4 4105,710 4140,745 4395,745 4415.87,765.87 U4.2 4415.87,875.87 4440,900 4776.94,900
VDD: C1.1 J1.2 J6.1 R9.1 TL1.5 TL1.6 TL2.5 TL3.5 TL4.5 TL5.5 TL6.5 TL7.5 TL8.5 U3.3 U4.3 | length 9572.9
  Top Layer w10: J6.1 3799.81,1645 3849.81,1595 R9.1
  Top Layer w20: TL8.5 449.81,944 473.81,968 950.81,968 ; TL7.5 949.81,967 950.81,968 ; TL6.5 1449.81,968 ; TL5.5 1949.81,964 1945.81,968 ; TL4.5 2449.81,968 ; TL3.5 2949.81,967 ; TL2.5 3449.81,967 ; U4.3 4324.02,805 4275,805 4230,850 4025,850 ; C1.1 4499.81,380 4482.81,397 4063,397 4025,435 4025,850 ; v1(5225,175) 5360,310 5360,928.47 5280,1008.47 U3.3 ; 950.81,968 1449.81,968 ; 1449.81,968 1945.81,968 ; 1945.81,968 2449.81,968 ; 2449.81,968 3930,968 3949.81,948.19 TL1.5 4025,850
  Top Layer w50: J1.2 3949.81,1400 ; J6.1 3804.34,1708.27 3916.54,1708.27 3949.81,1675 3949.81,1400 ; TL1.6 3949.81,1400
  Bottom Layer w20: TL1.5 4037.81,850 4065.81,878 4065.81,1222 4037.81,1250 TL1.6 ; C1.1 4499.81,80.19 4545,35 5085,35 v1(5225,175)
pads on no net: J6.3 J9.3 J11.3 J12.3 J14.3 J16.3 J18.3 J20.3 MCU1.6 MCU1.9 MCU1.10 TL1.1 TL1.3 TL2.1 TL2.3 TL3.1 TL3.3 TL4.1 TL4.3 TL5.1 TL5.3 TL6.1 TL6.3 TL7.1 TL7.3 TL8.1 TL8.3 U2.1 U2.3 U3.4 U4.4

## Polygon pours and split planes (outlines as drawn)
GND on Top Layer "GND_L01_P000" (solid, pour order 0): 5,2300 5550,2300 5550,0 0,0
GND on Bottom Layer "GND_L02_P001" (solid, pour order 1): 0,2300 5550,2300 5550,0 0,0

## Keep-outs
Keep-Out Layer:
  circle w10: c4320,172 r59.06
  circle w10: c5390,172 r59.06
  circle w10: c4320,2072 r59.06
  circle w10: c5390,2072 r59.06
  circle w10: c99.81,500 r59.06
  circle w10: c99.81,1575 r59.06
  lines w10: -0.19,-0.11 -0.19,2300 5549.81,2300 5549.81,-0.11 -0.19,-0.11

## Silkscreen, mask and mechanical layers (free items; w line width, h text height)
Top Overlay:
  text "GND" at 4199.81,1680.8 h60
  text "REST" at 4199.81,1580.8 h60
  text "CLK" at 4196,1480.77 h60
  text "DAT" at 4197.19,1380.8 h60
  text "VCC" at 4194.56,1280.77 h60
  text "GND" at 3917.81,630.8 h60
  text "TXD" at 3923.08,530.8 h60
  text "RXD" at 3921.47,430.8 h60
  text "VCC" at 3919.56,330.77 h60
Bottom Overlay:
  text "Design by  LapPV / Company: FPT Softare / Project: NXP Tools Testing / Date: 27/02/2022" at 4662.26,720 h90 r270

## Text inside footprints (layer, text, board x,y; h text height)
C1: Top Overlay "+" at 4563.49,347.1 h70 r180
C2: Top Overlay "+" at 5343.49,347.1 h70 r180